# Allegro board RK3588S_Template_LP4XD200P232SD10H2_30X30_2133MHz_H1R6_V11_20220218YWQ.brd (continued)
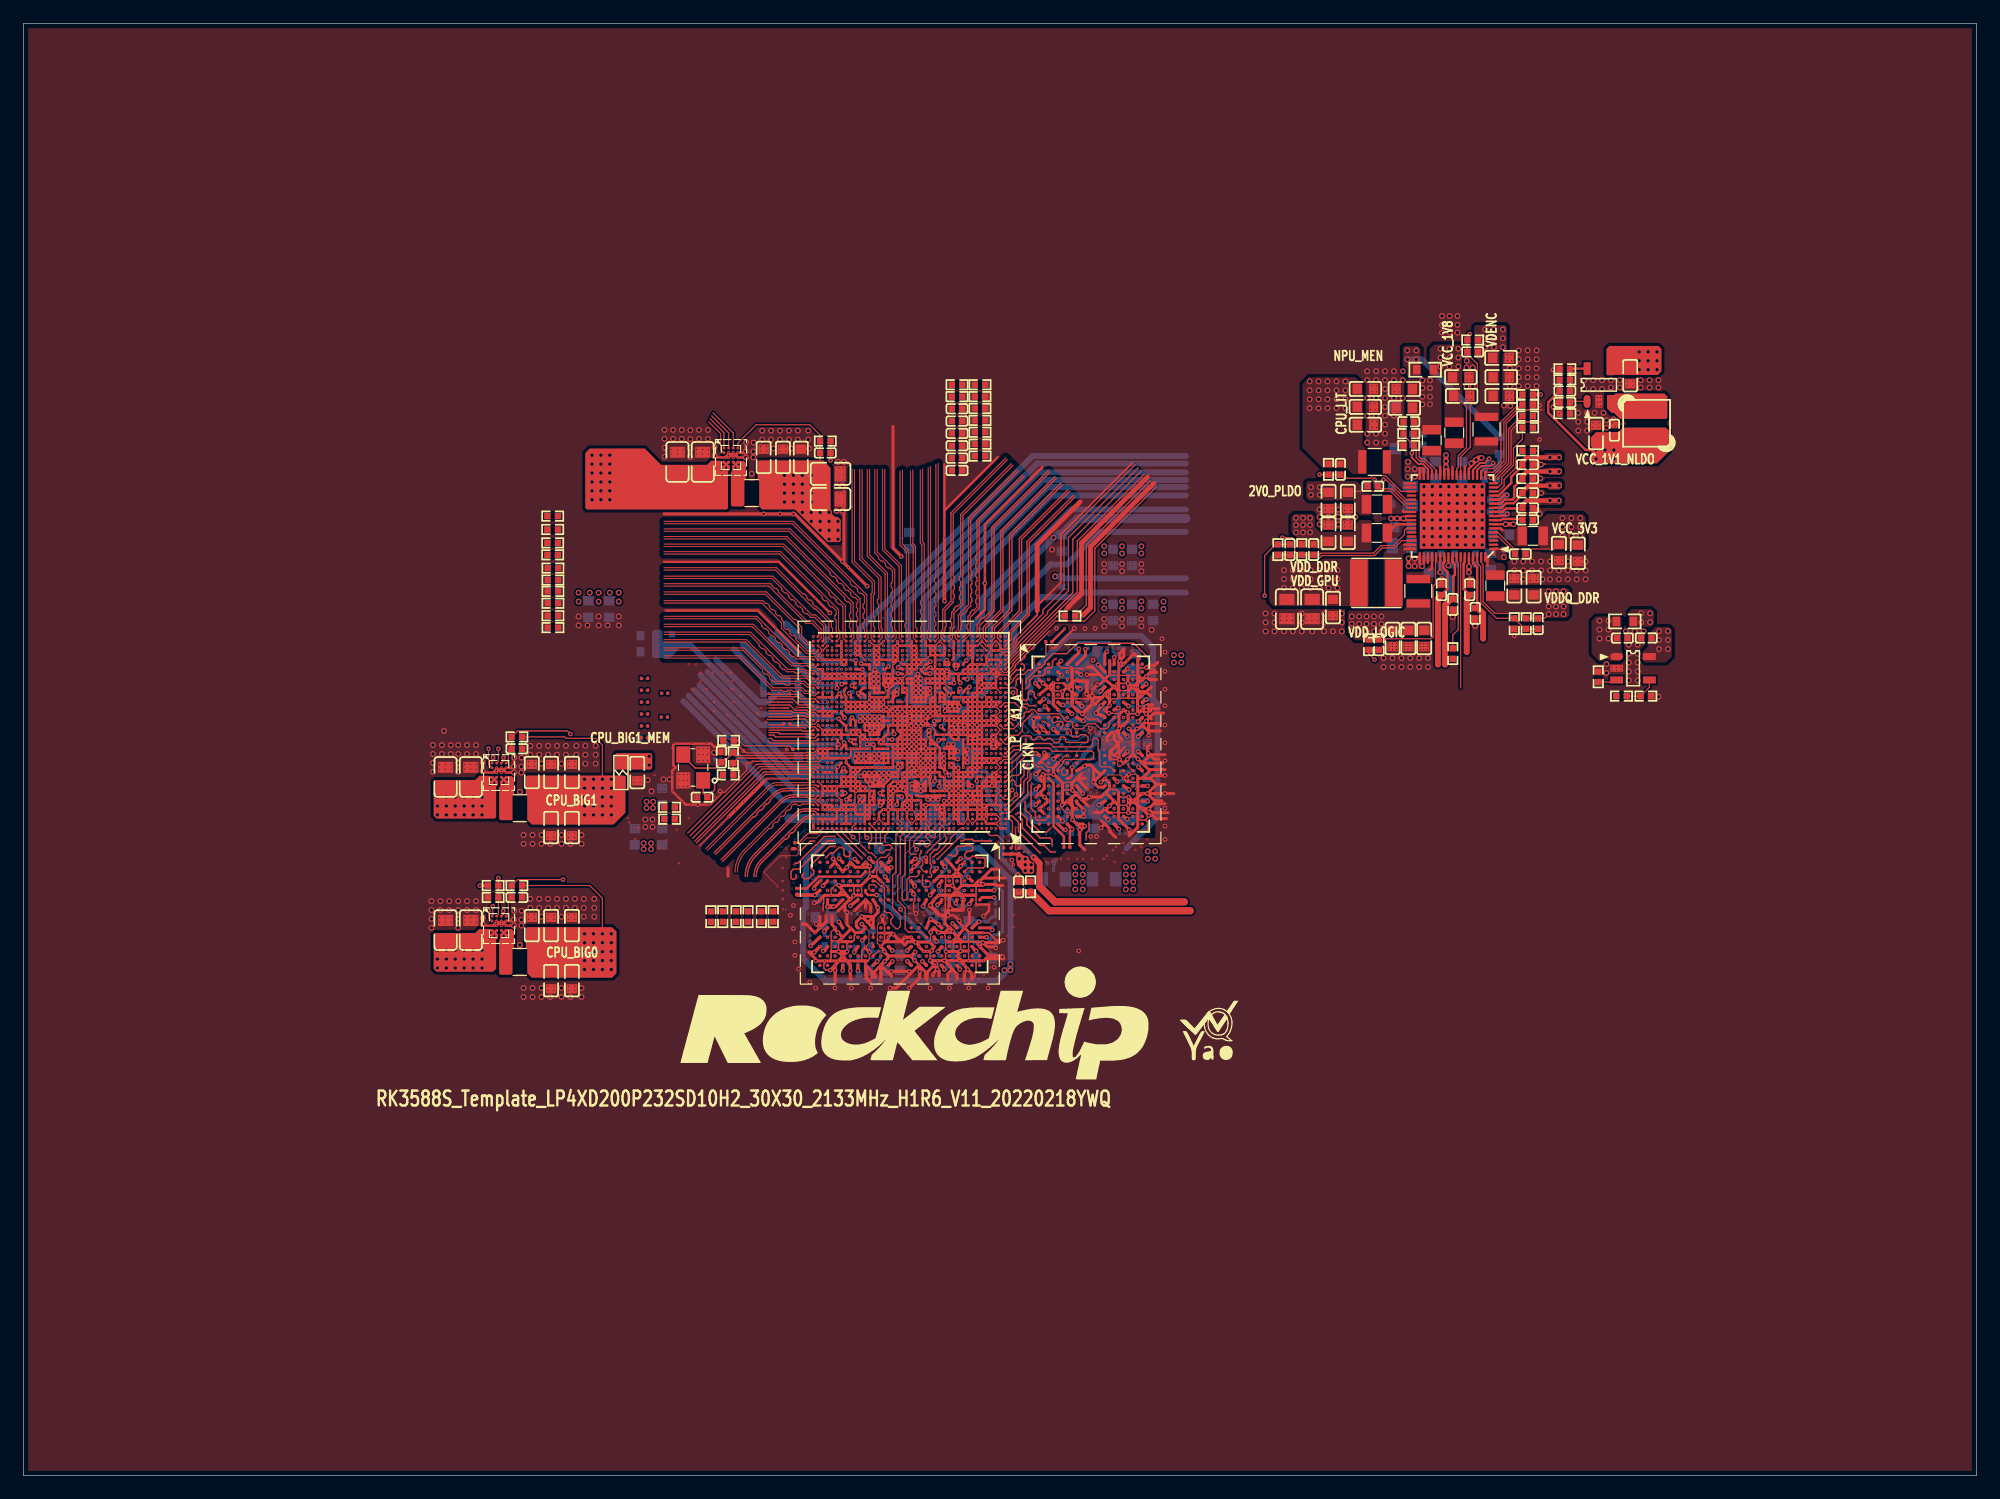
[diagram p0: board, top side]
## Copper pours and planes (outline as drawn; the poured copper is in the pictures) (continued)
VDDQ_DDR on BOTTOM: 68.71,46.37 68.71,44.83 69.21,44.32 69.74,44.32 70.23,43.83 70.23,43.05 70.1,42.93 69.85,42.93 69.72,43.05 69.72,43.31 69.34,43.69 68.83,43.69 67.94,44.58 67.94,46.88 68.45,47.39 68.45,49.78 68.07,50.16 68.07,53.09 68.83,53.85 69.6,53.85 70.1,53.34 70.1,52.83 69.82,52.55 69.63,52.55 69.47,52.7 69.47,53.34 69.34,53.47 68.96,53.47 68.71,53.21 68.71,52.07 69.21,51.56 70.72,51.56 70.85,51.69 71.12,51.69 71.37,51.44 71.37,51.2 71.25,51.07 68.83,51.07 68.71,50.95 68.71,50.44 68.83,50.31 69.24,50.31 69.34,50.21 69.34,48.86 69.69,48.52 69.69,48.06 71,46.75 71,45.96 71.25,45.72 71.25,44.72 71.12,44.6 70.99,44.6 70.87,44.72 70.87,45.47 70.24,46.09 70.24,46.1 69.98,46.36 69.98,46.63 69.72,46.88 69.21,46.88
VDDQ_DDR on BOTTOM: 89.03,49.78 91.69,49.78 91.82,49.91 91.82,52.2 91.69,52.32 88.77,52.32 88.52,52.07 88.52,50.29
VDDQ_DDR_S0 on TOP (solid shape): 85.22,53.21 85.28,53.11 85.38,53.04 85.39,53.04 85.47,52.96 85.72,52.96 85.89,52.79 85.89,52.66 86.13,52.43 86.15,52.43 86.36,52.21 86.36,51.57 86.23,51.44 85.47,51.44 85.37,51.54 85.37,51.6 85.34,51.63 85.34,51.69 84.89,52.15 84.89,52.17 84.88,52.27 84.84,52.37 84.84,53.21 85.21,53.21
VDDQ_DDR_S0 on BOTTOM (solid shape): 80.85,62.41 80.85,62.28 80.98,62.15 81.99,62.15 82.12,62.03 82.12,61.77 81.99,61.65 81.74,61.65 81.61,61.52 81.61,60.88 81.48,60.76 80.44,60.76 80.31,60.88 80.31,61.37 80.47,61.52 80.47,62.53 80.72,62.53
VDDQ_DDR_S0 on BOTTOM (solid shape): 78.44,57.96 78.24,57.77 78.24,57.32 78.22,57.29 78.22,57.02 78.16,56.82 78.22,56.62 78.22,56.12 77.34,55.24 76.83,55.24 76.83,56.01 76.96,56.13 76.96,56.76 76.99,56.8 77.01,56.83 77.04,56.89 77.11,56.92 77.44,57.28 77.11,57.63 77.04,57.66 77.01,57.73 77.01,57.91 77.18,58.08 78.04,58.08 78.18,58.22 78.44,58.22
VDDQ_DDR_S0 on TOP: 124.97,74.68 124.97,75.56 126.75,75.56 127,75.82 131.95,75.82 132.08,75.69 132.08,73.53 131.83,73.28 130.17,73.28 129.79,73.66 128.27,73.66 128.14,73.79 125.86,73.79
VDDQ_DDR_S0 on BOTTOM: 89.15,49.28 88.26,50.16 87.76,50.16 87.63,50.29 87.63,52.32 87.38,52.58 86.87,52.58 86.49,52.96 85.72,52.96 85.22,53.47 84.96,53.47 84.84,53.34 84.84,51.44 85.34,50.93 85.34,45.72 85.6,45.47 113.92,45.47 132.59,64.14 132.59,75.18 131.95,75.82 127.63,75.82 126.11,74.3 126.11,67.82 107.57,49.28
VDDQ_DDR_S0 on L5-POWER2: 81.91,63.12 83.02,63.12 83.03,63.12 84.53,63.12 84.53,63.12 84.84,63.12 85.45,62.51 85.45,56.92 85.47,56.9 85.47,56.26 87.12,54.61 87.12,51.82 86.61,51.31 82.8,51.31 80.14,53.98 76.2,53.98 76,54.17 76,57.46 76.07,57.53 76.71,57.53 77.22,58.04 79.25,58.04 80.26,59.05 80.26,61.98 80.52,62.23 81.03,62.23
(no net) on BOTTOM: 88.17,59.22 86.58,59.22 86.22,59.57 86.22,61.8 86.34,61.92 86.59,61.92 87.1,61.41 87.86,61.41 87.99,61.53 88.12,61.53 88.37,61.28 88.37,61.09 89.39,60.07 89.83,60.07 90.62,60.86 91.57,60.86 91.8,61.09 91.8,62.23 92.07,62.5 92.07,63.12 93.47,64.52 94.36,64.52 94.49,64.64 95.38,64.64 95.76,64.26 95.76,63.37 95.44,63.06 95.44,61.66 95.38,61.59 95.12,61.59 95.12,61.09 95.5,60.71 95.5,60.45 95.38,60.33 95,60.33 94.74,60.58 94.74,61.21 94.36,61.59 93.47,61.59 93.22,61.34 93.22,59.94 93.09,59.82 92.07,59.82 91.69,59.44 91.69,59.05 91.38,58.74 91.06,58.74 90.79,58.47 90.79,58.36 90.4,57.98 89.41,57.98
(no net) on BOTTOM: 92.06,64.33 92.44,64.71 92.44,65.81 92.33,65.91 91.73,65.91 91.67,65.85 90.79,65.85 90.4,66.23 90.28,66.23 89.9,65.85 89.9,64.96 89.64,64.71 89.26,64.71 89.26,64.46 88.88,64.07 88.25,64.07 87.99,64.33 87.99,64.73 87.63,65.09 86.09,65.09 85.83,64.84 85.83,64.2 86.47,63.57 86.72,63.82 86.72,64.33 86.98,64.58 87.36,64.58 87.48,64.46 87.48,63.95 87.86,63.57 89.13,63.57 89.9,64.33
(no net) on BOTTOM: 92.46,68.88 92.56,68.77 92.56,67.93 92.33,67.69 92.33,67.18 92.35,67.16 92.35,67.04 91.99,66.67 91.82,66.67 91.33,67.16 90.57,67.16 90.15,66.74 90.15,66.49 89.9,66.23 89.9,65.98 89.52,65.6 88.75,65.6 88.63,65.73 88.63,65.85 88.75,65.98 89.13,65.98 89.52,66.36 89.52,66.74 90.17,67.4 90.17,67.94 89.92,68.2 89.53,68.2 89.41,68.07 88.52,68.07 88.24,68.35 87.02,68.35 86.87,68.2 86.87,67.82 86.59,67.54 86.38,67.54 86.23,67.69 86.23,68.07 87.32,69.15 88.71,69.15 89.77,70.21 91.04,70.21 91.31,70.48 91.31,70.74 91.44,70.87 92.2,70.87 92.2,70.23 92.46,69.98
(no net) on BOTTOM: 95.06,68.01 94.6,68.01 94.09,68.52 94.09,69.07 94.36,69.34 95.38,69.34 95.5,69.22 95.5,68.2 95.76,67.94 96.01,67.94 96.14,67.82 96.14,67.56 96.01,67.44 95.25,67.44 95.12,67.56 95.12,67.94
(no net) on BOTTOM: 92.82,56.33 94.85,56.33 95.1,56.58 95.1,57.51 95.5,57.91 96.14,57.91 96.27,57.78 96.27,57.53 96.21,57.47 96.12,57.47 95.61,56.96 95.61,56.33 94.85,55.57 92.31,55.57 91.8,56.07 89.36,56.07 89.16,55.87 89.13,55.87 88.96,55.69 86.13,55.69 85.44,56.39 85.44,57.12 86.05,57.72 86.36,57.72 86.65,57.44 86.65,57.25 86.49,57.09 85.85,57.09 85.72,56.96 85.72,56.58 85.98,56.33 87.25,56.33 87.48,56.56 87.48,56.58 87.63,56.73 87.63,58.34 87.48,58.49 87.48,58.72 87.76,58.99 87.99,58.99 88.12,58.87 88.12,56.45 88.25,56.33 88.75,56.33 88.88,56.45 88.88,56.86 88.98,56.96 90.33,56.96 90.67,57.31 91.13,57.31 92.6,58.78 94.56,58.78 94.6,58.74 94.6,58.67 94.61,58.65 94.61,58.42 94.47,58.27 93.24,58.27 92.31,57.34 92.31,56.84
(no net) on L6-S2: 67.94,46.74 68.33,47.12 68.33,48.64 67.94,49.02 67.94,50.67 68.45,51.18 68.45,51.44 69.47,52.45 69.47,52.96 70.23,53.72 73.15,53.72 73.28,53.59 75.82,53.59 76.2,53.21 77.6,53.21 77.85,52.96 80.58,52.96 82.49,51.05 82.49,49.34 82.93,48.89 87.88,48.89 88.65,49.66 88.65,55.24 88.33,55.56 88.07,55.56 85.98,57.66 85.98,60.45 85.72,60.71 85.72,62.36 85.6,62.48 85.6,64.01 85.98,64.39 86.87,64.39 86.99,64.52 86.99,64.77 86.87,64.9 85.85,64.9 85.6,65.15 85.6,67.69 86.74,68.83 90.17,68.83 90.8,69.47 90.93,69.47 91.06,69.6 96.27,69.6 97.28,68.58 97.28,47.37 92.52,42.61 69.6,42.61 67.94,44.26
PMIC_SW1 on TOP: 116.59,79.25 117.35,79.25 117.73,79.63 119,79.63 119,78.87 118.24,78.87 117.86,78.49 117.86,74.3 117.73,74.17 116.33,74.17 116.2,74.3 116.2,78.87
PMIC_SW2 on TOP: 119,84.33 119,84.89 118.06,84.89 117.73,85.22 117.73,87.38 117.47,87.63 116.33,87.63 116.2,87.5 116.2,85.6 117.47,84.33
PMIC_SW3 on TOP: 120.27,77.98 120.27,78.87 120.52,78.87 120.52,76.45 120.27,76.2 118.24,76.2 118.11,76.33 118.11,77.09 118.24,77.22 119.51,77.22
PMIC_SW4 on TOP: 123.82,87.88 123.82,88.52 124.08,88.77 125.86,88.77 125.98,88.65 125.98,87.5 125.73,87.25 124.46,87.25 123.44,86.23 123.44,85.85 123.32,85.72 123.06,85.72 122.94,85.85 122.94,87
PMIC_SW5 on TOP: 116.08,79.76 116.08,81.28 116.2,81.41 119,81.41 119,81.15 118.24,81.15 117.86,80.77 117.86,80.52 117.09,79.76
PMIC_SW6 on TOP: 119.76,87 119.63,87 119.51,87.12 119.51,88.01 121.16,88.01 121.16,85.85 120.9,85.85
PMIC_SW7 on TOP: 116.2,82.17 118.11,82.17 118.18,82.24 119,82.24 119,82.42 118.36,82.42 116.97,83.82 116.14,83.82 116.14,82.23
PMIC_SW8 on TOP: 125.22,80.77 125.98,80.77 127.38,79.38 128.4,79.38 128.52,79.5 128.52,81.03 128.4,81.15 127.76,81.15 127.51,80.9 126.62,80.9 126.49,81.03 125.22,81.03
PMIC_SW9 on TOP: 124.71,76.45 124.71,78.87 124.73,78.88 125.03,78.88 125.03,78.8 125.86,77.98 126.36,77.98 126.62,77.72 126.62,76.58 126.49,76.45
PMIC_SW10 on TOP: 121.79,87 121.41,87.38 121.41,88.65 123.06,88.65 123.06,87.63 122.43,87 122.43,86.11 122.05,85.72 121.79,85.98
PMIC_VDC on BOTTOM: 116.71,88.27 118.11,88.27 118.24,88.39 119.89,88.39 120.01,88.27 120.01,86.61 119.89,86.49 119.25,86.49 118.62,87.12 116.71,87.12 116.59,87.25 116.59,88.14
N30961579 on TOP (solid shape): 61.6,86.61 61.72,86.49 61.72,85.09 61.59,84.96 61.59,82.93 61.47,82.8 60.58,82.8 60.45,82.93 60.45,85.72 60.64,85.91 61.34,85.91 61.34,86.61 61.59,86.61
N30962090 on TOP (solid shape): 140.46,92.2 140.46,90.42 140.33,90.3 136.4,90.3 135.89,90.81 135.69,90.81 135.31,91.19 135.31,92.32 135.89,92.32 136.03,92.46 140.21,92.46
N30962978 on TOP (solid shape): 41.78,59.69 41.91,59.56 41.91,58.17 41.78,58.04 41.78,56.01 40.77,56.01 40.64,56.13 40.64,58.8 40.83,58.99 41.53,58.99 41.53,59.69 41.78,59.69
N30963105 on TOP (solid shape): 41.78,46.61 41.91,46.48 41.91,45.09 41.78,44.96 41.78,42.93 41.66,42.8 40.77,42.8 40.64,42.93 40.64,45.72 40.83,45.91 41.53,45.91 41.53,46.61 41.78,46.61

Small or netless copper shapes (teardrops, artwork), in the pictures only: 2 on TOP, 5 on BOTTOM, 3 on L8-S3

## Text on the board
Ref Des/Silkscreen Bottom: DQ5 | DQS1P | DQS1N | FSPI | DQSON | DQSOP | DQ11
User.Comments: CR_VCAM_5 | CR_WIFI_1 | CR_0318_1 | CR_MOS_1 | CR_VCAM_2 | CR_DHPY_2 | CR_0415_2 | CR_VCAM_4 | CR_VCAM15_1 | CR_0310_2 | CR_PMU2_1 | CR_SPEAKER_1 | CR_PMIC_1 | CR_CAM_1 | CR_CAM1_2 | CR_CAM1_3
Ref Des/Silkscreen Top: CPU_BIG1 | CPU_BIG0 | CPU_BIG1_MEM | 2V0_PLDO | VDD_DDR | VDD_GPU | NPU_MEN | VDD_LOGIC | VDDQ_DDR | VCC_3V3 | VCC_1V1_NLDO | P | A1_A | CLKN | CPU_LIT | VCC_1V8 | VDENC | RK3588S_Template_LP4XD200P232SD10H2_30X30_2133MHz_H1R6_V11_20220218YWQ
User.31: PWR | GND | USB | sensor
